# Altium PCB RPIadaptor.PcbDoc (part 2 of 2)
Units mm, origin at the board's own origin, x right, y up, seen from the top; angles counter-clockwise.
Board outline 106 x 56.22 mm, 4 copper layers (Top Layer, Ground, 3V3P, Bottom Layer), stack 1.578 mm thick; 86 components, 104 nets, 584 pads, 352 vias.
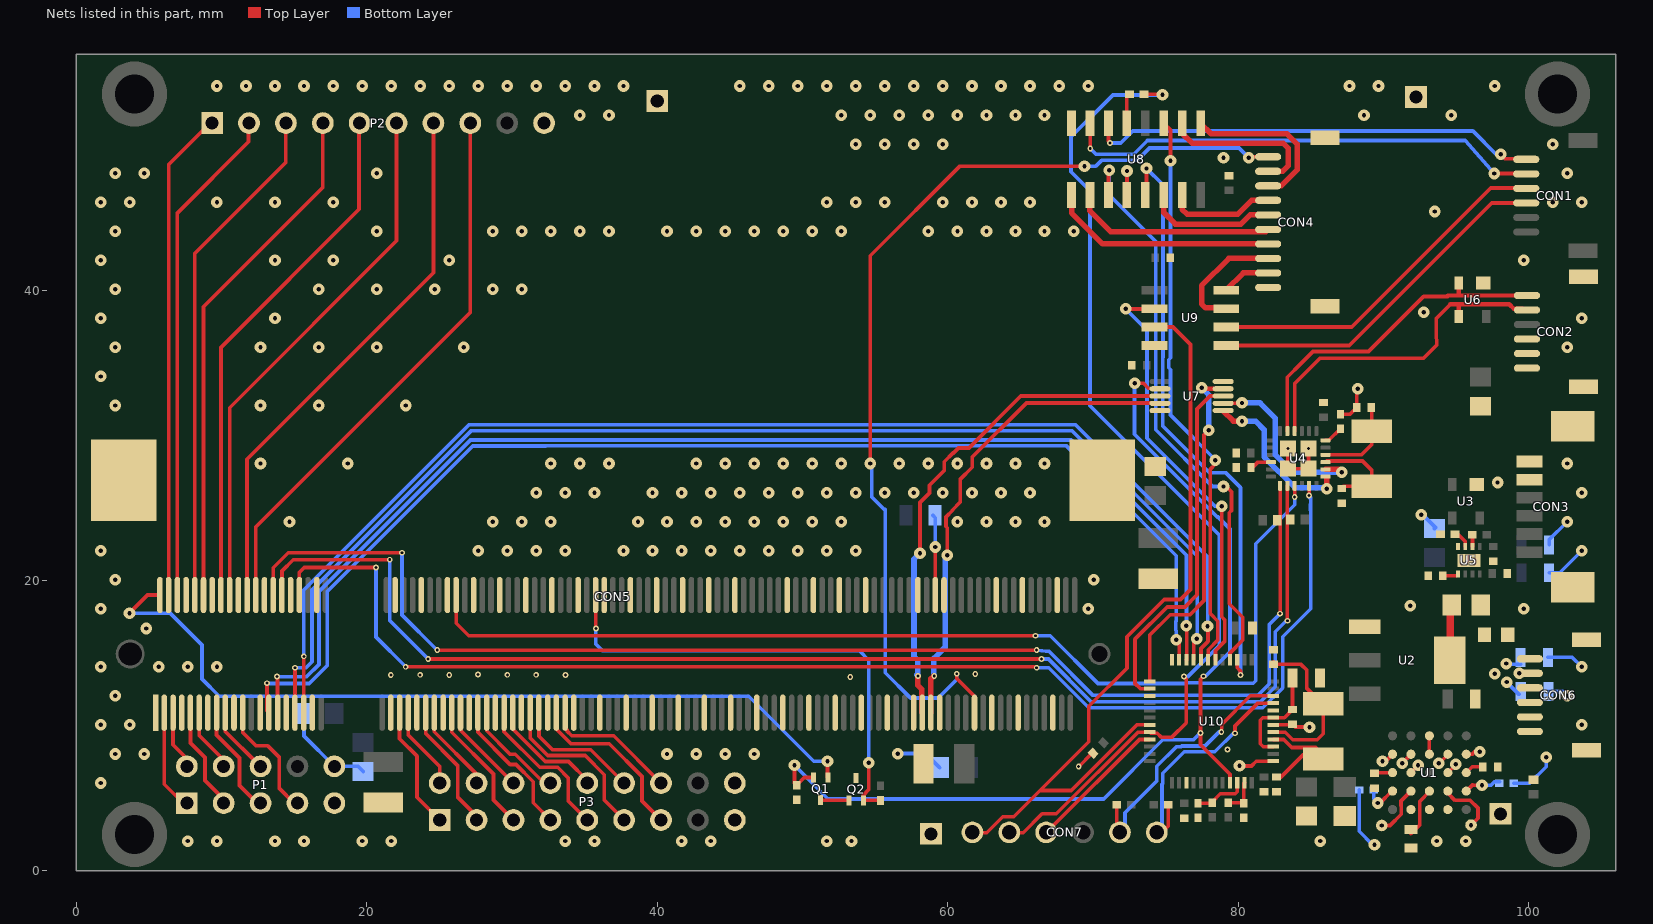
[diagram p4: the nets of this part, all layers, seen from the top]

## Via types
v1: diameter 0.8, hole 0.3, Top Layer to Bottom Layer, 301 vias
v2: diameter 0.4, hole 0.2, Top Layer to Bottom Layer, 51 vias

## Nets (pads, with @x,y where several pads share a name; then routed paths per layer and width w, separated by ;. In a path a pad name is that pad's centre, name@x,y a point inside that pad or via, vN(x,y) a via of type N, cw(c..) or ccw(c..) an arc to the next point about the centre after c; other vN are vias at no path point) (continued)
GND: C4.2 C5.2 C6.1 C7.1 C8.2 C9.2 C10.2 C11.2 C14.1 C15.2 C16.2 C17.2 C18.2 C19.2 C20.2 C23.2 C24.1 C25.2 C26.2 C27.2 C28.1 C29.1 C30.1 C31.1 C32.1 C35.2 C36.2 C37.2 C38.1 C39.2 C40.2 C41.2 C42.2 C43.2 C44.2 C45.2 C46.2 C47.2 C48.2 CON2.4 CON2.5 CON2.6 CON2.GND CON3.5 CON3.6 CON3.GND CON4.10 CON4.GND CON5.1 CON5.7 CON5.8 CON5.13 CON5.14 CON5.19 CON5.20 CON5.25 CON5.26 CON5.31 CON5.32 CON5.37 CON5.38 CON5.43 CON5.44 CON5.49 CON5.50 CON5.55 CON5.56 CON5.61 CON5.62 CON5.67 CON5.68 CON5.73 CON5.74 CON5.79 CON5.80 CON5.85 CON5.86 CON5.91 CON5.92 CON5.97 CON5.98 CON5.103 CON5.104 CON5.109 CON5.110 CON5.115 CON5.116 CON5.121 CON5.122 CON5.127 CON5.133 CON5.134 CON5.139 CON5.140 CON5.145 CON5.146 CON5.151 CON5.152 CON5.157 CON5.163 CON5.164 CON5.169 CON5.170 CON5.181 CON5.182 CON5.187 CON5.188 CON5.195 CON5.196 CON5.GND CON6.4 CON6.5 CON6.6 CON6.GND P1.9 P1.10 P2.10 P3.17 P3.18 P4.1 P5.1 P6.1 P7.1 Q2.3 R3.2 R14.2 R15.2 R16.2 R17.1 R23.1 R24.1 R25.2 R26.2 U1.B5 U1.C1 U1.C2 U1.C5 U1.D5 U2.3 U3.1 U4.25 U4.26 U4.27 U4.28 U5.8 U5.9 U6.1 U7.5 U7.10 U8.8 U8.12 U9.4 U10.1 U10.6 U10.8 U10.24 U10.27 U10.39 | length 44.3
  Top Layer w0.254: v2(69.025,7.175) 69.948,8.098 C36.2@70.016,8.098 ; U8.12@72.345,46.551 72.375,46.581 72.35,46.606 v1(72.35,48.2) ; v1(80.1,7.225) 80.929,7.225 81.254,7.55 U10.1@82.425,7.55 ; U10.6@82.425,10.05 82.438,10.063 83.721,10.063 C39.2@83.75,10.092 83.942,9.9 v1(84.919,9.9) ; v2(83.448,29.1) U4.27@83.448,27.7 U4.28@84.695,27.7 ; U4.28@84.848,27.7 v2(84.848,29.1) ; R17.1@87.05,31.45 87.717,31.45 C46.2@88.167,31.9 88.167,33.117 v1(88.25,33.2) ; U1.C2@93.175,8.02 U1.C1@93.175,9.29
  Bottom Layer w0.254: C5.2@15.675,11.1 15.675,9.285 P1.10@17.76,7.2 19.393,7.2 C15.2@19.747,6.846 ; v1(56.575,8.075) 58.481,8.075 C19.2@59.447,7.109 ; R14.2@88.347,5.565 88.347,2.722 89.268,1.8 v1(89.4,1.8) ; v1(92.625,24.513) 92.739,24.513 93.6,23.652 C18.2@93.525,23.577 ; R15.2@98.988,6.025 100.075,6.025 101.225,7.175 v1(101.225,7.825) ; C24.1@101.35,14.7 103.025,14.7 v1(103.675,14.05) ; C28.1@101.375,12.35 102.375,12.35 v1(102.675,12.05) ; C6.1@101.425,20.525 102.15,20.525 v1(103.675,22.05) ; C7.1@101.425,22.45 101.425,22.8 v1(102.675,24.05)
  other v1: 7.675,2.05 9.675,2.05 13.675,2.05 15.675,2.05 19.675,2.05 21.675,2.05 33.675,2.05 35.675,2.05 41.675,2.05 43.675,2.05 51.675,2.05 53.375,2.05 85.675,2.05 93.675,2.05 95.675,2.05 1.675,6.05 2.675,8.05 4.675,8.05 40.675,8.05 42.675,8.05 44.675,8.05 46.675,8.05 1.675,10.05 3.675,10.05 103.675,10.05 2.675,12.05 1.675,14.05 5.675,14.05 7.675,14.05 9.675,14.05 4.802,16.692 1.675,18.05 69.675,18.05 99.675,18.05 91.85,18.266 2.675,20.05 70.063,20.05 1.675,22.05 27.675,22.05 29.675,22.05 31.675,22.05 33.675,22.05 37.675,22.05 39.675,22.05 41.675,22.05 43.675,22.05 45.675,22.05 47.675,22.05 49.675,22.05 51.675,22.05 53.675,22.05 14.675,24.05 28.675,24.05 30.675,24.05 32.675,24.05 38.675,24.05 40.675,24.05 42.675,24.05 44.675,24.05 46.675,24.05 48.675,24.05 50.675,24.05 52.675,24.05 60.675,24.05 62.675,24.05 64.675,24.05 66.675,24.05 31.675,26.05 33.675,26.05 35.675,26.05 39.675,26.05 41.675,26.05 43.675,26.05 45.675,26.05 47.675,26.05 49.675,26.05 51.675,26.05 53.675,26.05 55.675,26.05 57.675,26.05 59.675,26.05 61.675,26.05 63.675,26.05 65.675,26.05 103.675,26.05 97.875,26.747 12.675,28.05 18.675,28.05 32.675,28.05 34.675,28.05 36.675,28.05 42.675,28.05 44.675,28.05 46.675,28.05 48.675,28.05 50.675,28.05 52.675,28.05 56.675,28.05 58.675,28.05 60.675,28.05 62.675,28.05 64.675,28.05 66.675,28.05 102.675,28.05 2.675,32.05 12.675,32.05 16.675,32.05 22.675,32.05 1.675,34.05 2.675,36.05 12.675,36.05 16.675,36.05 20.675,36.05 26.675,36.05 102.675,36.05 1.675,38.05 13.675,38.05 103.675,38.05 92.8,38.475 2.675,40.05 16.675,40.05 20.675,40.05 24.675,40.05 28.675,40.05 30.675,40.05 1.675,42.05 13.675,42.05 17.675,42.05 25.675,42.05 99.675,42.05 2.675,44.05 20.675,44.05 28.675,44.05 30.675,44.05 32.675,44.05 34.675,44.05 36.675,44.05 40.675,44.05 42.675,44.05 44.675,44.05 46.675,44.05 48.675,44.05 50.675,44.05 52.675,44.05 58.675,44.05 60.675,44.05 62.675,44.05 64.675,44.05 66.675,44.05 68.675,44.05 93.548,45.407 1.675,46.05 3.675,46.05 9.675,46.05 13.675,46.05 17.675,46.05 51.675,46.05 53.675,46.05 55.675,46.05 59.675,46.05 61.675,46.05 63.675,46.05 65.675,46.05 101.675,46.05 103.675,46.05 2.675,48.05 4.675,48.05 20.675,48.05 102.675,48.05 79,49.102 53.675,50.05 55.675,50.05 57.675,50.05 59.675,50.05 101.675,50.05 34.675,52.05 36.675,52.05 52.675,52.05 54.675,52.05 56.675,52.05 58.675,52.05 60.675,52.05 62.675,52.05 64.675,52.05 66.675,52.05 88.675,52.05 94.675,52.05 9.675,54.05 11.675,54.05 13.675,54.05 15.675,54.05 17.675,54.05 19.675,54.05 21.675,54.05 23.675,54.05 25.675,54.05 27.675,54.05 29.675,54.05 31.675,54.05 33.675,54.05 35.675,54.05 37.675,54.05 45.675,54.05 47.675,54.05 49.675,54.05 51.675,54.05 53.675,54.05 55.675,54.05 57.675,54.05 59.675,54.05 61.675,54.05 63.675,54.05 65.675,54.05 67.675,54.05 69.675,54.05 87.675,54.05 89.675,54.05 97.675,54.05
  other v2: 79.275,8.355 53.294,13.35 21.65,13.484 23.672,13.5 25.675,13.491 29.675,13.5 31.663,13.5 33.675,13.491 27.65,13.525 61.9,13.55
H2SW_N: U4.19 U7.6 | length 11.1
  Top Layer w0.381: U7.6@78.975,31.682 79.682,30.975 v1(80.275,30.975) ; v1(86.12,26.325) U4.19@86.12,27.015
  Bottom Layer w0.381: v1(80.275,30.975) 81.205,30.975 81.8,30.38 81.8,28.513 83.925,26.388 86.057,26.388 v1(86.12,26.325)
H2SW_P: U4.20 U7.7 | length 12.8
  Top Layer w0.254: U7.7@78.975,32.2 78.984,32.21 v1@80.26,32.21
  Top Layer w0.381: v1@80.26,32.21 v1(80.275,32.225) ; U4.20@86.028,27.65 86.95,27.65 v1(87.15,27.45)
  Bottom Layer w0.381: v1(80.275,32.225) 81.513,32.225 82.575,31.163 82.575,28.653 83.778,27.45 v1(87.15,27.45)
MISO_N: CON4.8 U9.7 | length 8.4
  Top Layer w0.381: U9.7@79.182,38.719 79.126,38.775 77.762,38.775 77.491,39.045 77.491,40.3 79.367,42.176 CON4.8@82.075,42.176
MISO_P: CON4.9 U9.8 | length 3.4
  Top Layer w0.381: U9.8@79.182,39.989 80.368,41.176 CON4.9@82.075,41.176
MISO_S1: U9.2 U10.18 | length 29.7
  Top Layer w0.254: v1(72.263,38.7) 74.235,38.7 U9.2@74.254,38.719 ; U10.18@78.445,14.53 78.445,15.16 79.075,15.79 79.075,17.296 78.875,17.496 v1(78.875,25.1) v1@78.875,25.25
  Bottom Layer w0.254: v1(72.263,38.7) 73.725,37.238 73.725,29.8 78.425,25.1 v1(78.875,25.1)
MISO_S2: CON5.29 U10.22 | length 85.4
  Top Layer w0.254: v2@13.825,13.375 13.852,13.348 13.852,10.94 13.875,10.917 CON5.29@13.85,10.892 ; U10.22@76.445,14.53 76.477,14.562 76.477,15.687 76.471,15.694 76.471,16.256 76.477,16.263 76.477,16.843 v1(76.445,16.875)
  Bottom Layer w0.254: v2(13.818,13.375) 15.859,13.375 16.7,14.216 16.7,19.236 27.138,29.674 68.501,29.674 76.445,21.73 v1(76.445,16.875)
MOSI_N: CON4.7 U8.9 | length 15.7
  Top Layer w0.381: U8.9@68.535,46.551 68.535,45.32 70.68,43.176 CON4.7@82.075,43.176
MOSI_P: CON4.6 U8.10 | length 14.1
  Top Layer w0.381: U8.10@69.805,46.551 69.8,46.546 69.8,45.45 71.25,44 81.899,44 CON4.6@82.075,44.176
MOSI_S1: U8.11 U10.16 | length 40.4
  Top Layer w0.254: U8.11@71.075,46.551 71.075,48.276 71.101,48.25 v1(71.125,48.25) ; v1(79,26.467) 79.193,26.467 79.554,26.106 79.554,24.819 79.391,24.656 79.391,18.39 80.325,17.457 80.325,15.89 79.445,15.01 U10.16@79.445,14.53
  Bottom Layer w0.254: v1(71.125,48.25) 71.125,46.55 74.329,43.346 74.329,30.38 78.242,26.467 v1(79,26.467)
MOSI_S2: CON5.33 U10.21 | length 85.9
  Top Layer w0.254: CON5.33@15.05,10.892 15.002,10.94 15.05,10.988 v2(15.05,13.987) ; U10.21@76.945,14.53 76.945,15.724 77.15,15.929 v1(77.15,15.975)
  Bottom Layer w0.254: v2(15.05,13.987) 15.807,13.987 16.225,14.405 16.225,19.335 27.208,30.319 68.541,30.319 77.198,21.662 77.198,15.887 77.15,15.935 v1(77.15,15.975)
NetC10_1: C10.1 U10.4 Y2.2 | length 7.7
  Top Layer w0.254: U10.4@82.425,9.05 83.148,9.05 83.698,8.5 85.35,8.5 85.875,7.975 84.475,7.975 82.958,6.458 C10.1@82.65,6.458
NetC11_1: C11.1 U10.5 Y2.1 | length 11.4
  Top Layer w0.254: U10.5@82.425,9.55 83.249,9.55 83.774,9.025 85.46,9.025 85.875,9.44 Y2.1@85.875,11.51 85.79,11.51 84.743,12.557 84.743,13.812 84.338,14.217 C11.1@82.45,14.217 C11.1@82.45,14.402
NetC17_1: C17.1 U2.4 | length 3.4
  Top Layer w0.254: U2.4@94.575,15.1 U2.4@94.625,15.15
  Top Layer w0.5: U2.4@94.625,15.15 C17.1@94.625,18.45
NetC43_1: C43.1 U5.1 | length 0.9
  Top Layer w0.254: C43.1@94.258,20.325 95.039,20.325 U5.1@95.15,20.436
NetC46_1: C46.1 U4.22 Y3.2 | length 6
  Top Layer w0.254: U4.22@86.028,28.65 88.512,28.65 89.2,29.338 Y3.2@89.2,30.28 89.2,31.883 C46.1@89.183,31.9
NetC47_1: C47.1 U4.10 | length 1.5
  Top Layer w0.254: C47.1@80.896,27.775 81,27.775 81.375,28.15 U4.10@82.268,28.15
NetC48_1: C48.1 U4.21 Y3.1 | length 6.9
  Top Layer w0.254: U4.21@86.028,28.15 86.108,28.231 88.569,28.231 89.2,27.6 Y3.1@89.2,26.48 87.247,26.48 C48.1@87,26.233
NetCON5_2: CON5.2 Q1.1 | length 57.4
  Top Layer w0.254: v1(3.65,17.75) 4.892,18.992 CON5.2@5.75,18.992 ; v1(51.725,7.55) 51.725,6.45 Q1.1@51.75,6.425
  Bottom Layer w0.254: v1(3.65,17.75) 6.45,17.75 8.65,15.55 8.65,13.21 9.835,12.025 46.3,12.025 50.775,7.55 v1(51.725,7.55)
NetCON5_3: CON5.3 P1.1 | length 6.8
  Top Layer w0.254: CON5.3@6.05,10.89 6.05,5.97 P1.1@7.385,4.635
NetCON5_4: CON5.4 P2.1 | length 34
  Top Layer w0.254: CON5.4@6.35,18.99 6.35,48.65 P2.1@9.432,51.733
NetCON5_5: CON5.5 P1.2 | length 4
  Top Layer w0.254: CON5.5@6.65,10.89 6.65,8.675 7.385,7.94 P1.2@7.385,7.175
NetCON5_6: CON5.6 P2.2 | length 34.6
  Top Layer w0.254: CON5.6@6.95,18.99 6.95,45.3 11.855,50.205 P2.2@11.855,51.53
NetCON5_9: CON5.9 P1.3 | length 7.2
  Top Layer w0.254: CON5.9@7.85,10.89 7.85,8.8 8.85,7.8 8.85,6.214 10.02,5.044 P1.3@10.02,4.54
NetCON5_10: CON5.10 P2.3 | length 35.1
  Top Layer w0.254: CON5.10@8.15,18.99 8.15,42.525 14.413,48.788 P2.3@14.413,51.513
NetCON5_11: CON5.11 P1.4 | length 4.3
  Top Layer w0.254: CON5.11@8.45,10.89 8.45,9.325 9.925,7.85 P1.4@9.925,7.175
NetCON5_12: CON5.12 P2.4 | length 35.9
  Top Layer w0.254: CON5.12@8.75,18.99 8.75,38.85 16.965,47.065 P2.4@16.965,51.5
NetCON5_15: CON5.15 P1.5 | length 7.4
  Top Layer w0.254: CON5.15@9.65,10.89 9.65,9.35 11.225,7.775 11.225,5.875 P1.5@12.465,4.635
NetCON5_16: CON5.16 P2.5 | length 36.5
  Top Layer w0.254: CON5.16@9.95,18.99 9.95,36.05 19.465,45.565 P2.5@19.465,51.54
NetCON5_17: CON5.17 P1.6 | length 4.6
  Top Layer w0.254: CON5.17@10.25,10.89 10.25,9.6 12.465,7.385 P1.6@12.465,7.175
NetCON5_18: CON5.18 P2.6 | length 37.3
  Top Layer w0.254: CON5.18@10.55,18.99 10.55,31.9 22.045,43.395 P2.6@22.045,51.5
NetCON5_21: CON5.21 P1.7 | length 8.2
  Top Layer w0.254: CON5.21@11.45,10.89 11.45,9.525 12.35,8.625 13.15,8.625 13.975,7.8 13.975,5.665 P1.7@15.005,4.635
NetCON5_22: CON5.22 P2.7 | length 37.8
  Top Layer w0.254: CON5.22@11.75,18.99 11.75,28.35 24.585,41.185 P2.7@24.585,51.5
NetCON5_24: CON5.24 P2.8 | length 38.6
  Top Layer w0.254: CON5.24@12.35,18.99 12.35,23.675 27.125,38.45 P2.8@27.125,51.5
NetCON5_45: CON5.45 P3.1 | length 8.5
  Top Layer w0.254: CON5.45@22.25,10.89 22.25,9.1 23.45,7.9 23.45,5.07 P3.1@25.02,3.5
NetCON5_47: CON5.47 P3.2 | length 5.7
  Top Layer w0.254: CON5.47@22.85,10.89 22.85,9.35 25.02,7.18 P3.2@25.02,6.04
NetCON5_51: CON5.51 P3.3 | length 8.8
  Top Layer w0.254: CON5.51@24.05,10.89 24.05,9.45 26.25,7.25 26.25,5.089 27.56,3.779 P3.3@27.56,3.5
NetCON5_53: CON5.53 P3.4 | length 6.1
  Top Layer w0.254: CON5.53@24.65,10.89 24.65,9.575 27.56,6.665 P3.4@27.56,6.04
NetCON5_57: CON5.57 P3.5 | length 9.2
  Top Layer w0.254: CON5.57@25.85,10.89 25.85,9.55 28.725,6.675 28.725,4.875 P3.5@30.1,3.5
NetCON5_59: CON5.59 P3.6 | length 6.4
  Top Layer w0.254: CON5.59@26.45,10.89 26.45,9.69 P3.6@30.1,6.04
NetCON5_63: CON5.63 P3.7 | length 9.7
  Top Layer w0.254: CON5.63@27.65,10.89 27.65,9.541 29.866,7.325 30.271,7.325 31.453,6.143 31.453,4.687 P3.7@32.64,3.5
NetCON5_65: CON5.65 P3.8 | length 7.1
  Top Layer w0.254: CON5.65@28.25,10.89 28.25,9.648 29.862,8.036 30.214,8.036 32.21,6.04 P3.8@32.64,6.04
NetCON5_69: CON5.69 P3.9 | length 10.5
  Top Layer w0.254: CON5.69@29.45,10.89 29.45,9.579 31.902,7.127 33.148,7.127 33.875,6.4 33.875,4.805 P3.9@35.18,3.5
NetCON5_71: CON5.71 P3.10 | length 7.9
  Top Layer w0.254: CON5.71@30.05,10.89 30.05,9.768 32.284,7.534 33.891,7.534 35.18,6.245 P3.10@35.18,6.04
NetCON5_75: CON5.75 P3.11 | length 11.6
  Top Layer w0.254: CON5.75@31.25,10.89 31.25,9.143 32.453,7.94 35.035,7.94 36.35,6.625 36.35,4.87 P3.11@37.72,3.5
NetCON5_77: CON5.77 P3.12 | length 8.8
  Top Layer w0.254: CON5.77@31.85,10.89 31.85,9.275 32.778,8.347 35.413,8.347 P3.12@37.72,6.04
NetCON5_81: CON5.81 P3.13 | length 11.9
  Top Layer w0.254: CON5.81@33.05,10.89 33.05,9.768 34.065,8.753 36.697,8.753 38.95,6.5 38.95,4.81 P3.13@40.26,3.5
NetCON5_83: CON5.83 P3.14 | length 9.3
  Top Layer w0.254: CON5.83@33.65,10.89 33.65,9.83 33.781,9.699 33.781,9.638 34.118,9.3 37,9.3 P3.14@40.26,6.04
NetCON5_90: CON5.90 Q2.2 R27.2 | length 33.7
  Top Layer w0.254: CON5.90@35.75,18.992 35.8,18.942 35.775,18.917 v2(35.775,16.7) ; v1(54.575,7.45) 54.575,5.606 54.2,5.231 Q2.2@54.2,4.85 R27.2@55.375,4.85
  Bottom Layer w0.254: v2(35.775,16.7) 35.775,15.613 36.233,15.155 53.928,15.155 54.575,14.508 v1(54.575,7.45)
NetCON5_168: CON5.168 R9.2 | length 5.6
  Top Layer w0.254: CON5.168@59.15,18.99 v1(59.15,22.305)
  Bottom Layer w0.254: R9.2@58.992,24.479 59.15,24.321 v1(59.15,22.305)
NetQ1_3: Q1.3 Q2.1 | length 2
  Top Layer w0.254: Q1.3@51.25,4.875 51.275,4.85 Q2.1@53.2,4.85
NetR14_1: R14.1 U1.E4 | length 2.3
  Top Layer w0.254: v1(89.625,4.675) 89.775,4.675 90.58,5.48 U1.E4@90.635,5.48
  Bottom Layer w0.254: R14.1@89.347,5.565 89.347,4.953 v1(89.625,4.675)
NetR15_1: R15.1 U1.A4 | length 2.6
  Top Layer w0.254: U1.A4@95.715,5.48 96.143,5.907 96.15,5.9 v1(96.805,5.9)
  Bottom Layer w0.254: v1(96.805,5.9) 97.425,5.9 97.65,6.125 R15.1@98.023,6.125
NetR16_1: R16.1 U1.C4 | length 3.5
  Top Layer w0.254: R16.1@91.905,2.552 92.525,3.172 92.525,4.8 93.175,5.45 U1.C4@93.175,5.48
NetR17_2: R17.2 U4.24 | length 1.4
  Top Layer w0.254: U4.24@86.028,29.65 86.25,29.65 R17.2@87.05,30.45
NetR20_1: R20.1 U8.5 | length 2.1
  Top Layer w0.254: U8.5@72.345,51.479 72.345,53.299 R20.1@72.525,53.479
NetR21_2: R21.2 R24.2 U10.47 | length 2.5
  Top Layer w0.254: R21.2@79.325,4.694 80.357,4.694 R24.2@80.388,4.663 80.388,6.013 U10.47@80.445,6.07
NetR22_1: R22.1 R23.2 U10.46 | length 3.7
  Top Layer w0.254: R23.2@77.25,4.663 78.194,4.663 R22.1@78.225,4.694 78.225,4.744 78.781,5.3 79.794,5.3 79.945,5.451 U10.46@79.945,6.07
NetR25_1: R25.1 U5.7 | length 1.2
  Top Layer w0.254: R25.1@94.95,23.175 95.155,23.175 95.65,22.68 U5.7@95.65,22.336
NetR32_2: R32.2 U5.6 | length 0.8
  Top Layer w0.254: R32.2@96.125,23.15 96.15,23.125 U5.6@96.15,22.336
NODE2H_N: CON2.2 U4.4 U6.3 | length 23.3
  Top Layer w0.254: U4.4@83.898,30.28 83.898,33.548 84.805,34.455 85.661,35.311 92.786,35.311 93.677,36.202 93.662,37.052 93.644,38.044 94.625,39.025
  Top Layer w0.3: 94.625,39.025 95.2,39.025 ; U6.3@95.2,38.175 95.2,39.025 ; CON2.2@99.6,38.7 99,38.7 98.675,39.025 95.2,39.025
NODE2H_P: CON2.1 U4.5 U6.2 | length 23.4
  Top Layer w0.254: U4.5@83.398,30.28 83.398,33.998 84.337,34.937 85.162,35.762 88.987,35.762 92.781,39.556 94.45,39.556 94.45,39.625
  Top Layer w0.3: 94.45,39.625 95.2,39.625 ; U6.2@95.2,40.475 95.2,39.625 ; CON2.1@99.9,39.625 95.2,39.625
PG1: pad.2@89.9,3.125 U1.D4 | length 3.6
  Top Layer w0.254: pad.2@89.9,3.125 90.46,3.125 91.234,3.899 91.234,4.476 91.225,4.485 91.225,4.805 U1.D4@91.91,5.49 ; U1.D4@91.905,5.365 U1.D4@91.905,5.48
PG2: pad.2@96.046,3.15 U1.B4 | length 4
  Top Layer w0.254: U1.B4@94.445,5.48 94.445,5.355 94.95,4.85 96,4.85 96.525,4.325 96.525,3.629 pad.2@96.046,3.15
PROG#: CON7.5 R7.1 U10.10 | length 17.7
  Top Layer w0.254: R7.1@71.65,4.55 71.65,3.195 CON7.5@72.22,2.625 ; 78.875,9.775 78.875,10.083 80.842,12.05 U10.10@82.425,12.05
  Bottom Layer w0.254: CON7.5@72.22,2.625 72.22,3.995 74.406,6.181 74.406,7.197 75.757,8.548 76.073,8.548 76.126,8.6 77.725,8.6 78.69,9.566 v2(78.85,9.566)
R\E\S\E\T\: CON5.58 U4.15 | length 73.4
  Top Layer w0.254: CON5.58@26.15,18.992 26.15,17.056 27.017,16.189 v2(66.057,16.189) ; U4.15@83.898,26.52 83.914,26.504 83.9,26.49 v2(83.9,25.75)
  Bottom Layer w0.254: v2(66.057,16.189) 67.061,16.189 70.354,12.896 76.474,12.896 76.524,12.946 77.401,12.946 77.426,12.921 81.046,12.921 81.218,13.093 81.218,22.529 83.9,25.211 v2(83.9,25.75)
RESET#: CON7.6 R8.1 U10.9 | length 16.2
  Top Layer w0.254: CON7.6@74.76,2.625 75.2,3.065 R8.1@75.2,4.55 ; v2(79.796,9.475) 79.796,9.978 81.368,11.55 U10.9@82.425,11.55
  Bottom Layer w0.254: CON7.6@74.76,2.625 74.76,5.96 74.812,6.013 74.812,6.712 76.294,8.194 78.394,8.194 79.735,9.535 v2(79.796,9.475)
RPI2SW_N: CON5.167 U7.4 | length 33.4
  Top Layer w0.254: v1(59.975,21.725) 59.975,23.632 59.884,23.723 59.884,24.377 60.348,24.841 60.323,24.841 60.859,25.377 60.859,26.958 61.7,27.799 61.7,28.496 65.429,32.225 U7.4@74.625,32.225
  Top Layer w0.381: CON5.167@58.85,10.892 58.85,13.225 v2@59.05,13.425
  Bottom Layer w0.381: v2@59.05,13.425 59.05,14.625 59.825,15.4 59.825,21.575 v1(59.975,21.725)
  other v2: 59.075,13.425
RPI2SW_P: CON5.165 U7.3 | length 35.2
  Top Layer w0.254: v1(58.098,21.875) 58.098,25.374 58.75,26.026 58.75,26.55 59.775,27.575 59.775,28.178 60.374,28.777 60.402,28.777 60.75,29.125 61.465,29.125 65.04,32.7 U7.3@74.625,32.7
  Top Layer w0.381: v2(57.95,13.425) 57.95,12.775 58.215,12.51 CON5.165@58.215,10.927
  Bottom Layer w0.381: v2@57.884,13.491 v2(57.95,13.425) 57.95,14.5 57.684,14.766 57.684,21.461 v1(58.098,21.875)
RTS#: CON7.3 U10.33 | length 9.7
  Top Layer w0.254: CON7.3@67.14,2.625 67.14,2.978 73.212,9.05 U10.33@73.925,9.05
RUN: CON4.1 CON5.177 | length 69.9
  Top Layer w0.254: v1(54.675,28.05) 54.675,42.366 60.844,48.535 v1(69.425,48.535) ; v2(60.625,13.575) 60.625,13.241 61.85,12.016 CON5.177@61.85,10.892 ; v1(80.75,49.1) 80.826,49.176 CON4.1@82.075,49.176 CON4.1@81.999,49.1
  Bottom Layer w0.254: v1(54.675,28.05) 54.775,27.95 54.775,25.741 55.616,24.9 55.7,24.9 55.7,13.65 57.45,11.9 59.35,11.9 60.625,13.175 v2(60.625,13.575) ; v1(69.425,48.535) 70.21,48.535 70.604,48.929 73.048,48.929 73.9,49.782 80.068,49.782 v1(80.75,49.1)
RX: CON7.2 R20.2 U10.32 | length 69.9
  Top Layer w0.254: CON7.2@64.6,2.625 65.206,2.625 66.506,3.925 67.48,3.925 73.105,9.55 U10.32@73.925,9.55 74.006,9.469 74.441,9.469 74.701,9.209 75.459,9.209 76.439,10.189 76.439,13.211 v2(76.275,13.375) ; R20.2@73.525,53.479 74.76,53.479 v1(74.8,53.438)
  Bottom Layer w0.254: v1(74.8,53.438) 71.388,53.438 68.5,50.55 68.5,48.141 69.8,46.841 69.8,32.025 78.7,23.125 78.7,15.525 76.55,13.375 v2(76.275,13.375)
SCLK_N: CON4.4 U8.15 | length 7.4
  Top Layer w0.381: U8.15@76.155,46.551 76.155,45.557 76.487,45.225 79.988,45.225 80.939,46.176 CON4.4@82.075,46.176
SCLK_P: CON4.5 U8.14 | length 9
  Top Layer w0.381: U8.14@74.885,46.551 74.885,45.33 75.682,44.533 80.195,44.533 80.837,45.176 CON4.5@82.075,45.176
SCLK_S1: U8.13 U10.15 | length 41.3
  Top Layer w0.254: U8.13@73.615,46.551 73.7,46.636 v1(73.7,48.375) ; U10.15@79.945,14.53 79.945,13.984 80.175,13.754 v2(80.175,13.479)
  Bottom Layer w0.254: v1(73.7,48.375) 74.83,47.245 74.83,35.39 74.814,35.375 74.814,30.636 78.025,27.425 79.142,27.425 80.175,26.392 v2(80.175,13.479)
SCLK_S2: CON5.35 U10.20 | length 86.5
  Top Layer w0.254: CON5.35@15.65,10.892 v2@15.65,14.775 ; U10.20@77.445,14.53 77.445,15.309 77.937,15.802 77.937,16.831 v1@77.925,16.843
  Bottom Layer w0.254: v2(15.66,14.775) 15.66,19.345 27.04,30.725 68.8,30.725 77.925,21.6 v1@77.925,16.843
  other v1: 77.9,16.85
Select: Q1.2 R26.1 U7.2 U10.45 | length 66.8
  Top Layer w0.254: v1(49.45,7.268) 49.45,6.052 R26.1@49.602,5.9 50.127,6.425 Q1.2@50.75,6.425 ; v1(72.875,33.573) 73.484,33.573 73.822,33.236 73.886,33.236 ; v2(77.625,13.4) 77.417,13.192 v2(77.417,9.501) 77.417,8.675 79.445,6.647 U10.45@79.445,6.07
  Bottom Layer w0.254: v1(49.45,7.268) 51.75,4.968 51.75,4.95 70.747,4.95 74.822,9.025 76.942,9.025 v2(77.417,9.501) ; v1(72.875,33.573) 72.875,30.072 78.574,24.373 78.627,24.373 79.45,23.55 79.45,15.096 77.754,13.4 v2(77.625,13.4)
SMBDATA: CON5.28 R1.1 U4.13 | length 91.7
  Top Layer w0.254: CON5.28@13.55,18.992 13.55,20.875 14.583,21.908 22.421,21.908 v2(22.425,21.904) ; v2(24.85,15.2) v2(66.133,15.2) ; v2(82.898,17.712) U4.13@82.898,26.52
  Bottom Layer w0.254: v2(22.425,21.904) 22.425,17.625 v2(24.85,15.2) ; v2(66.133,15.2) 67,15.1 70.017,12.083 81.366,12.083 82.161,12.878 82.161,16.975 v2(82.898,17.712)
SMCLK: CON5.30 R2.1 U4.14 | length 91.6
  Top Layer w0.254: CON5.30@14.171,18.971 CON5.30@14.15,18.992 14.15,20.653 14.925,21.428 v2(21.575,21.428) ; v2(24.225,14.583) v2(66.459,14.583) ; v2(83.398,17.223) U4.14@83.398,26.52
  Bottom Layer w0.254: v2(21.575,21.428) 21.575,17.233 v2(24.225,14.583) ; v2(66.459,14.583) 66.943,14.583 69.89,11.636 81.53,11.636 82.567,12.673 82.567,16.467 83.323,17.223 v2(83.398,17.223)
SS_N: CON4.3 U8.1 | length 11.5
  Top Layer w0.381: U8.1@77.425,51.479 78.154,50.75 83.373,50.75 84.085,50.038 84.085,48.295 82.966,47.176 CON4.3@82.075,47.176
SS_P: CON4.2 U8.2 | length 11.2
  Top Layer w0.381: U8.2@76.155,51.479 76.155,50.797 76.857,50.095 83.13,50.095 83.45,49.775 83.45,48.558 83.068,48.176 CON4.2@82.075,48.176
SS_S1: U8.3 U10.19 | length 39.2
  Top Layer w0.254: U8.3@74.885,51.479 75.35,51.014 v1(75.35,48.9) ; U10.19@77.945,14.53 77.945,15.234 78.6,15.889 78.6,17.197 78.097,17.699 78.097,27.672 78.425,28 v1(78.425,28.275)
  Bottom Layer w0.254: v1@75.35,48.925 v1(75.35,48.9) 75.35,35.336 75.221,35.206 75.221,34.644 75.35,34.514 75.35,31.386 78.461,28.275 v1(78.425,28.275)
SS_S2: CON5.27 U10.23 | length 84.9
  Top Layer w0.254: v2(13.125,12.925) 13.125,11.017 CON5.27@13.25,10.892 ; v1(75.75,15.912) 75.945,15.717 U10.23@75.945,14.53
  Bottom Layer w0.254: v2(13.125,12.925) 13.154,12.896 16.029,12.896 17.275,14.142 17.275,19.236 27.298,29.259 32.317,29.259 32.317,29.267 68.183,29.267 75.75,21.7 75.75,17.208 75.718,17.176 75.718,16.574 75.75,16.542 v1(75.75,15.912)
SUSP_IND: CON5.34 U4.17 | length 91.7
  Top Layer w0.254: CON5.34@15.35,18.992 15.35,20.552 15.684,20.886 v2(20.625,20.886) ; v2(22.675,14.05) 40.975,14.05 40.979,14.054 66.066,14.054 v2(66.134,13.987) ; v2(84.898,25.846) U4.17@84.898,26.52
  Bottom Layer w0.254: v2(20.625,20.886) 20.625,16.1 v2(22.675,14.05) ; v2(66.134,13.987) 66.963,13.987 69.721,11.229 81.706,11.229 83.075,12.598 83.075,16.128 85.004,18.058 85.004,24.845 84.996,24.854 84.996,25.251 85.004,25.26 85.004,25.739 v2(84.898,25.846) v2@84.898,25.705
SW2SW_N: U7.8 U10.26 | length 24.7
  Top Layer w0.254: U10.26@73.925,12.55 73.26,12.55 72.908,12.902 72.908,15.958 75.125,18.175 76.343,18.175 77.175,19.007 77.175,31.803 78.072,32.7 U7.8@78.975,32.7
SW2SW_P: U7.9 U10.25 | length 23.7
  Top Layer w0.254: U10.25@73.925,13.05 73.925,16.24 75.328,17.643 76.687,17.643 77.657,18.613 77.657,30.032 v1(77.975,30.35)
  Top Layer w0.3: v1@77.505,33.21 U7.9@78.338,33.21
  Bottom Layer w0.381: v1(77.505,33.272) 77.975,32.801 v1(77.975,30.35)
T1SS1: C31.2 U1.E3 | length 1.2
  Top Layer w0.254: C31.2@89.405,6.708 89.447,6.75 U1.E3@90.635,6.75
T1SS2: C32.2 U1.A3 | length 1.3
  Top Layer w0.254: U1.A3@95.715,6.75 96.127,7.162 C32.2@96.867,7.162
TX: CON7.1 U9.3 U10.31 | length 53.5
  Top Layer w0.254: CON7.1@62.06,2.625 62.698,2.625 63.8,3.727 64.555,3.727 69.725,8.897 69.725,11.328 72.355,13.958 72.355,16.13 74.912,18.687 76.037,18.687 76.724,19.374 76.724,36.243 75.518,37.449 U9.3@74.254,37.449 ; 66.403,5.537 68.518,5.537 71.475,8.495 ; 71.475,8.496 73.029,10.05 U10.31@73.925,10.05
"UART IN+": CON1.1 U8.6 | length 31.2
  Top Layer w0.254: U8.6@71.075,51.479 71.075,50.24 v2(71.19,50.125) ; v1(98.083,49.35) 98.383,49.05 CON1.1@99.85,49.05
  Bottom Layer w0.254: v2(71.19,50.125) 71.925,50.125 72.75,50.95 96.175,50.95 97.775,49.35 v1(98.083,49.35)
"UART IN-": CON1.2 U8.7 | length 33.3
  Top Layer w0.254: U8.7@69.805,51.479 69.825,51.459 v2(69.825,49.748) ; v1(97.65,48.025) CON1.2@99.825,48.025
  Bottom Layer w0.254: v2(69.825,49.748) 70.223,49.35 72.825,49.35 73.75,50.275 73.75,50.3 95.65,50.3 v1(97.65,48.025)
"UART OUT+": CON1.3 U9.6 | length 24.4
  Top Layer w0.254: U9.6@79.182,37.449 87.834,37.449 97.41,47.025 CON1.3@99.6,47.025
"UART OUT-": CON1.4 U9.5 | length 24.7
  Top Layer w0.254: U9.5@79.182,36.179 87.654,36.179 97.475,46 CON1.4@99.85,46
UNREG: C24.2 C28.2 C30.2 CON6.1 CON6.2 CON6.3 U1.A2 U1.B2 U1.B3 U1.D2 U1.D3 U1.E2 | length 7.5
  Top Layer w0.254: v1(89.95,7.535) 90.15,7.535 U1.E2@90.635,8.02 ; v1(91.304,7.419) U1.D2@91.905,8.02 ; U1.D3@91.905,6.75 91.905,6.755 92.425,7.275 v1(92.4,7.275) ; v1@93.9,7.35 93.9,7.45 94.445,7.995 U1.B2@94.445,8.02 ; U1.B3@94.445,6.75 95.045,7.35 v1(95,7.35) ; U1.A2@95.715,8.02 96.11,8.02 96.29,8.2 v1(96.65,8.2)
  Bottom Layer w0.254: v1(98.471,14.275) 98.519,14.227 C24.2@99.472,14.227 ; v1(98.496,13) C28.2@99.345,12.151
  other v1: 93.83,7.4 97.675,13.575 99.375,13.6
VCORE: C38.2 C39.1 U10.3 U10.7 | length 7.6
  Top Layer w0.254: U10.3@82.425,8.55 81.73,8.55 81.533,8.748 81.533,10.377 81.705,10.55 U10.7@82.425,10.55 83.192,10.55 C39.1@83.75,11.108 C38.2@83.75,13.275 C38.2@83.75,13.575
pads on no net: CON1.5 CON1.6 CON1.GND CON5.23 CON5.36 CON5.46 CON5.48 CON5.54 CON5.60 CON5.64 CON5.66 CON5.70 CON5.72 CON5.76 CON5.78 CON5.82 CON5.84 CON5.87 CON5.88 CON5.89 CON5.93 CON5.94 CON5.95 CON5.96 CON5.99 CON5.100 CON5.101 CON5.102 CON5.105 CON5.106 CON5.107 CON5.108 CON5.111 CON5.112 CON5.113 CON5.114 CON5.117 CON5.118 CON5.119 CON5.120 CON5.123 CON5.124 CON5.125 CON5.126 CON5.128 CON5.129 CON5.130 CON5.131 CON5.132 CON5.135 CON5.136 CON5.137 CON5.138 CON5.141 CON5.142 CON5.143 CON5.144 CON5.147 CON5.148 CON5.149 CON5.150 CON5.153 CON5.154 CON5.155 CON5.156 CON5.158 CON5.159 CON5.160 CON5.161 CON5.162 CON5.166 CON5.171 CON5.172 CON5.173 CON5.174 CON5.175 CON5.176 CON5.178 CON5.179 CON5.180 CON5.189 CON5.190 CON5.SODIMM_MH1 CON5.SODIMM_MH2 U1.A5 U1.C3 U1.E5 U4.6 U4.7 U4.8 U4.11 U4.12 U4.23 U10.11 U10.12 U10.13 U10.14 U10.28 U10.29 U10.35 U10.36 U10.37 U10.38 U10.41 U10.42 U10.43 U10.44 U10.48

## Polygon pours and split planes (outlines as drawn)
5VP on Bottom Layer "Bottom Layer" (solid, remove dead copper, pour order 2): 1.037,55.25 105.037,55.25 105.037,0.975 1.037,0.975
GND on Top Layer "Top Layer-GND" (solid, pour order 4): 105.02,55.25 1.02,55.25 1.02,1.025 105.045,1.025
no net on Assembly Notes "NONET_L-01_P-001" (solid): 87.9,38.05 81.375,38.05 81.375,51.275 87.9,51.275
no net on Assembly Notes "NONET_L-01_P-001" (solid): 106,41.985 98.975,41.985 98.975,50.975 106,50.975
no net on Assembly Notes "NONET_L-01_P-001" (solid): 106,32.635 99.25,32.635 99.25,41.625 106,41.625
no net on Assembly Notes "NONET_L-01_P-001" (solid): 106.008,18.5 99.483,18.5 99.483,31.575 106.008,31.575
no net on Assembly Notes "NONET_L-01_P-001" (solid): 106,7.535 99.475,7.535 99.475,16.525 106,16.525
no net on Assembly Notes "NONET_L-01_P-001" (solid): 23.776,2.25 23.776,7.275 46.625,7.275 46.625,2.25
no net on Assembly Notes "NONET_L-01_P-001" (solid): 4.802,12.35 4.802,17.5 70.063,17.5 70.063,12.35
no net on Fab Notes "NONET_L-01_P-001" (solid): 23.776,2.25 23.776,7.275 46.625,7.275 46.625,2.25
GND on Ground (split plane): 105.49,0.51 0.51,0.51 0.51,55.715 105.49,55.715
3V3P on 3V3P (split plane): 105.49,0.51 0.51,0.51 0.51,55.715 105.49,55.715

## Keep-outs
Keep-Out Layer:
  the board outline again, w0.1

## Other copper
Top Layer:
  rectangle net 3V3P: 17.493,10.692 20.57,19.34
  rectangle net 3V3P: 19.8,6.975 20.52,11.242
  region net UNREG: 98.1,16.825 98.1,14.85 99.25,14.85 99.253,14.853 99.253,16.825
  region net 5VP: 94.025,12.7 94.022,12.697 94.022,10.425 95.05,10.425 95.05,12.7
  region net 5VP: 96.25,10.824 96.29,10.824 96.29,8.85 96.234,8.794 94.1,8.794 94.1,10.824
  region net 1V8P: 89.8,15.6 89.8,14.622 89.778,14.6 84.05,14.6 84.025,14.625 84.025,15.55
  region net 3V3P: 92.45,10.45 92.45,8.754 88.2,8.754 88.2,13.339 89.975,13.339 89.975,10.458
  region net GND: 92.673,10.775
  region net UNREG: 101.2,15.045 101.225,15.02 101.225,12.15 97.504,12.15 97.504,15.045
Bottom Layer:
  rectangle net 1V8P: 62.654,5.912 65.352,22.6
  rectangle: 25.35,48.2 50.35,49.2
  region: 5.271,18.51 5.271,43.51 4.271,43.51 4.271,18.51
  region: 9.986,18.51 9.986,43.51 8.986,43.51 8.986,18.51
  rectangle: 25.325,45.3 50.325,46.3
  rectangle: 25.375,19.625 50.375,20.625
  rectangle net 5VP: 25.35,17.201 50.35,18.201
  region net GND: 84.65,16.475
  region net 1V8P: 84.025,15.687 84.025,14.48 84.03,14.475 87.263,14.475 87.3,14.512 87.3,15.775
  region net UNREG: 93.85,7.25
  region net UNREG: 98,7.725
  region net UNREG: 100.1,8.9 100.132,8.868 100.132,6.512 89.45,6.512 89.45,8.475 96.9,8.475 96.9,8.95
  region net UNREG: 99.99,15.825 96.9,15.825 96.9,8.95 96.85,8.9 100.1,8.9

## Silkscreen, mask and mechanical layers (free items; w line width, h text height)
Top Overlay:
  text "Tx" at 60.975,0.875 h0.6
  text "Rx" at 63.75,0.875 h0.6
  text "RTS" at 66,0.875 h0.6
  text "Cts" at 68.575,0.875 h0.6
  text "Prog" at 70.875,0.875 h0.6
  text "RST" at 73.625,0.875 h0.6
Drill Guide:
  rectangle: 94.72,33.3 98.276,33.95
  rectangle: 79.824,21.268 80.379,26.47
  rectangle: 77.889,21.45 78.391,23.467
  rectangle: 65.866,12.414 74.375,13.453
  region: 94.025,12.688 94.037,12.7 94.875,12.7 94.875,10.825 94.1,10.825
Assembly Notes:
  region: 6.661,53.5 ccw(c4,53.5) 4,56.161 ccw(c4,53.5) 1.339,53.5 ccw(c4,53.5) 4,50.839 ccw(c4,53.5)
  region: 104.661,53.5 ccw(c102,53.5) 102,56.161 ccw(c102,53.5) 99.339,53.5 ccw(c102,53.5) 102,50.839 ccw(c102,53.5)
  region: 104.661,2.5 ccw(c102,2.5) 102,5.161 ccw(c102,2.5) 99.339,2.5 ccw(c102,2.5) 102,-0.161 ccw(c102,2.5)
  region: 6.661,2.5 ccw(c4,2.5) 4,5.161 ccw(c4,2.5) 1.339,2.5 ccw(c4,2.5) 4,-0.161 ccw(c4,2.5)
Fab Notes:
  region: 6.661,53.5 ccw(c4,53.5) 4,56.161 ccw(c4,53.5) 1.339,53.5 ccw(c4,53.5) 4,50.839 ccw(c4,53.5)
  region: 104.661,53.5 ccw(c102,53.5) 102,56.161 ccw(c102,53.5) 99.339,53.5 ccw(c102,53.5) 102,50.839 ccw(c102,53.5)
  region: 104.661,2.5 ccw(c102,2.5) 102,5.161 ccw(c102,2.5) 99.339,2.5 ccw(c102,2.5) 102,-0.161 ccw(c102,2.5)
  region: 6.661,2.5 ccw(c4,2.5) 4,5.161 ccw(c4,2.5) 1.339,2.5 ccw(c4,2.5) 4,-0.161 ccw(c4,2.5)

## Text inside footprints (layer, text, board x,y; h text height)
P1: Top Overlay "2" at 5.19,6.5 h0.7; Top Overlay "1" at 5.365,4.15 h0.7; Top Overlay "9" at 18.265,1.875 h1; Top Overlay "10" at 17.815,8.925 h0.6
P3: Top Overlay "2" at 23.9,7.95 h0.7; Top Overlay "1" at 23.025,1.45 h0.7; Top Overlay "17" at 47.372,2.992 h0.7; Top Overlay "18" at 47.372,5.532 h0.7